# Allegro board S071AA-0413-20260427_Power.brd (continued)
## Routing (per net, layer and track width the routed paths; a pad name or vN(x,y) marks a point on that pad's centre or on a via; arc(x,y) is an arc through that point) (continued)
; D118.A7 30.75,72.85 ; D118.A7 29.94,73.66 ; D111.B7 261.89,371.65 ; D111.B7 261.89,370.03 ; D111.B7 262.7,370.84 ; D111.B7 261.08,370.84 ; 52.8,403.86 D432.A2 ; D432.A2 53.61,403.05 ; D432.A2 53.61,404.67 ; D432.A2 54.42,403.86 ; D108.B14 269.51,41.45 ; D108.B14 269.51,39.83 ; D108.B14 268.7,40.64 ; D108.B14 270.32,40.64 ; D115.A7 188.23,376.73 ; D115.A7 188.23,375.11 ; D115.A7 187.42,375.92 ; D115.A7 189.04,375.92 ; 114.57,375.11 D227.A7 ; D227.A7 114.57,376.73 ; D227.A7 113.76,375.92 ; D227.A7 115.38,375.92 ; 20.59,385.27 D431.A15 ; D431.A15 21.4,386.08 ; D431.A15 19.78,386.08 ; D431.A15 20.59,386.89 ; 98.52,406.4 D428.A13 ; D428.A13 100.14,406.4 ; D428.A13 99.33,407.21 ; D428.A13 99.33,405.59 ; 14.7,73.66 D118.A1 ; D118.A1 15.51,72.85 ; D118.A1 16.32,73.66 ; D118.A1 15.51,74.47 ; D124.A9 109.49,33.83 ; D124.A9 110.3,33.02 ; D124.A9 108.68,33.02 ; D124.A9 109.49,32.21 ; D108.B9 256.81,38.91 ; D108.B9 257.62,38.1 ; D108.B9 256,38.1 ; D108.B9 256.81,37.29 ; UHC230.G4_10 16.54,350.04 ; UHC230.G4_10 14.92,350.04 ; UHC230.G4_10 15.73,349.23 ; UHC230.G4_10 15.73,350.85 ; D114.B6 191.58,347.98 ; D114.B6 190.77,347.17 ; D114.B6 189.96,347.98 ; D114.B6 190.77,348.79 ; D104.A2 166.18,35.56 ; D104.A2 165.37,36.37 ; D104.A2 165.37,34.75 ; D104.A2 164.56,35.56 ; 200.12,35.56 D104.A16 ; D104.A16 200.93,36.37 ; D104.A16 200.93,34.75 ; D104.A16 201.74,35.56 ; DPS8.B01 56.15,413.56 ; DPS8.B01 56.15,411.94 ; DPS8.B01 56.96,412.75 ; DPS8.B01 55.34,412.75 ; 45.99,390.35 D232.B5 ; D232.B5 45.99,391.97 ; D232.B5 45.18,391.16 ; D232.B5 46.8,391.16 ; 104.41,400.51 D428.B11 ; D428.B11 105.22,401.32 ; D428.B11 104.41,402.13 ; D428.B11 103.6,401.32 ; D113.A15 167.91,336.09 ; D113.A15 167.1,335.28 ; D113.A15 167.91,334.47 ; D113.A15 168.72,335.28 ; D105.B6 249.19,102.41 ; D105.B6 250,101.6 ; D105.B6 249.19,100.79 ; D105.B6 248.38,101.6 ; D108.A11 262.7,33.02 ; D108.A11 261.89,32.21 ; D108.A11 261.89,33.83 ; D108.A11 261.08,33.02 ; 50.26,38.1 D120.B15 ; D120.B15 51.07,37.29 ; D120.B15 51.07,38.91 ; D120.B15 51.88,38.1 ; D109.A13 246.65,336.09 ; D109.A13 246.65,334.47 ; D109.A13 245.84,335.28 ; D109.A13 247.46,335.28 ; 22.32,403.86 D432.A14 ; D432.A14 23.13,403.05 ; D432.A14 23.94,403.86 ; D432.A14 23.13,404.67 ; D104.A1 162.83,33.83 ; D104.A1 163.64,33.02 ; D104.A1 162.02,33.02 ; D104.A1 162.83,32.21 ; CSDPS425.B2 127.27,343.71 ; CSDPS425.B2 128.08,342.9 ; CSDPS425.B2 126.46,342.9 ; CSDPS425.B2 127.27,342.09 ; 44.72,360.2 UHC430.G2_10 ; UHC430.G2_10 45.53,359.39 ; UHC430.G2_10 46.34,360.2 ; UHC430.G2_10 45.53,361.01 ; 32.48,40.64 D120.B8 ; D120.B8 33.29,41.45 ; D120.B8 33.29,39.83 ; D120.B8 34.1,40.64 ; D427.A17 89.98,386.08 ; D427.A17 88.36,386.08 ; D427.A17 89.17,385.27 ; D427.A17 89.17,386.89 ; D109.A12 249.19,333.55 ; D109.A12 248.38,332.74 ; D109.A12 250,332.74 ; D109.A12 249.19,331.93 ; 101.06,363.22 CSDPS426.B12 ; CSDPS426.B12 102.68,363.22 ; CSDPS426.B12 101.87,364.03 ; CSDPS426.B12 101.87,362.41 ; D228.A17 89.17,397.05 ; D228.A17 89.98,396.24 ; D228.A17 88.36,396.24 ; D228.A17 89.17,395.43 ; D122.A9 109.49,74.47 ; D122.A9 109.49,72.85 ; D122.A9 110.3,73.66 ; D122.A9 108.68,73.66 ; D110.A16 239.84,353.06 ; D110.A16 238.22,353.06 ; D110.A16 239.03,353.87 ; D110.A16 239.03,352.25 ; 111.22,96.52 D121.A10 ; D121.A10 112.03,95.71 ; D121.A10 112.84,96.52 ; D121.A10 112.03,97.33 ; 114.57,400.51 D428.B7 ; D428.B7 113.76,401.32 ; D428.B7 115.38,401.32 ; D428.B7 114.57,402.13 ; 98.52,13.97 DPS3.A05 ; DPS3.A05 100.14,13.97 ; DPS3.A05 99.33,14.78 ; DPS3.A05 99.33,13.16 ; 174.72,76.2 D102.A6 ; D102.A6 175.53,77.01 ; D102.A6 175.53,75.39 ; D102.A6 176.34,76.2 ; D431.A17 15.51,386.89 ; D431.A17 16.32,386.08 ; D431.A17 14.7,386.08 ; D431.A17 15.51,385.27 ; 89.17,400.51 D428.B17 ; D428.B17 89.17,402.13 ; D428.B17 88.36,401.32 ; D428.B17 89.98,401.32 ; 27.4,378.46 D431.B12 ; D431.B12 28.21,379.27 ; D431.B12 28.21,377.65 ; D431.B12 29.02,378.46 ; D122.A8 106.95,77.01 ; D122.A8 106.95,75.39 ; D122.A8 106.14,76.2 ; D122.A8 107.76,76.2 ; D124.B9 109.49,38.91 ; D124.B9 110.3,38.1 ; D124.B9 108.68,38.1 ; D124.B9 109.49,37.29 ; 188.23,77.93 D102.B11 ; D102.B11 187.42,78.74 ; D102.B11 189.04,78.74 ; D102.B11 188.23,79.55 ; D113.A7 189.04,335.28 ; D113.A7 188.23,336.09 ; D113.A7 188.23,334.47 ; D113.A7 187.42,335.28 ; D231.A5 45.99,376.73 ; D231.A5 45.18,375.92 ; D231.A5 46.8,375.92 ; D231.A5 45.99,375.11 ; D232.B16 18.05,389.43 ; D232.B16 18.86,388.62 ; D232.B16 17.24,388.62 ; D232.B16 18.05,387.81 ; 167.1,370.84 D115.B15 ; D115.B15 168.72,370.84 ; D115.B15 167.91,370.03 ; D115.B15 167.91,371.65 ; CSDPS226.C15 94.25,351.33 ; CSDPS226.C15 93.44,350.52 ; CSDPS226.C15 94.25,349.71 ; CSDPS226.C15 95.06,350.52 ; 89.17,72.85 D122.A1 ; D122.A1 88.36,73.66 ; D122.A1 89.17,74.47 ; D122.A1 89.98,73.66 ; 118.84,406.4 D428.A5 ; D428.A5 119.65,405.59 ; D428.A5 119.65,407.21 ; D428.A5 120.46,406.4 ; D122.B5 100.14,78.74 ; D122.B5 99.33,77.93 ; D122.B5 98.52,78.74 ; D122.B5 99.33,79.55 ; D427.A7 114.57,386.89 ; D427.A7 113.76,386.08 ; D427.A7 115.38,386.08 ; D427.A7 114.57,385.27 ; D119.B3 20.59,59.23 ; D119.B3 19.78,58.42 ; D119.B3 21.4,58.42 ; D119.B3 20.59,57.61 ; 268.7,60.96 D107.B14 ; D107.B14 269.51,60.15 ; D107.B14 270.32,60.96 ; D107.B14 269.51,61.77 ; 50.26,58.42 D119.B15 ; D119.B15 51.88,58.42 ; D119.B15 51.07,57.61 ; D119.B15 51.07,59.23 ; D431.B3 51.07,381.81 ; D431.B3 50.26,381 ; D431.B3 51.07,380.19 ; D431.B3 51.88,381 ; D431.A3 51.07,386.89 ; D431.A3 50.26,386.08 ; D431.A3 51.88,386.08 ; D431.A3 51.07,385.27 ; 198.39,72.85 D102.A15 ; D102.A15 197.58,73.66 ; D102.A15 198.39,74.47 ; D102.A15 199.2,73.66 ; 266.97,375.11 D111.A5 ; D111.A5 266.97,376.73 ; D111.A5 267.78,375.92 ; D111.A5 266.16,375.92 ; D124.B15 124.73,38.91 ; D124.B15 123.92,38.1 ; D124.B15 124.73,37.29 ; D124.B15 125.54,38.1 ; 117.11,382.73 D427.A6 ; D427.A6 116.3,383.54 ; D427.A6 117.11,384.35 ; D427.A6 117.92,383.54 ; D107.A14 269.51,56.69 ; D107.A14 270.32,55.88 ; D107.A14 268.7,55.88 ; D107.A14 269.51,55.07 ; 238.22,96.52 D105.A2 ; D105.A2 239.03,95.71 ; D105.A2 239.03,97.33 ; D105.A2 239.84,96.52 ; 47.83,359.39 UHC430.G2_9 ; UHC430.G2_9 47.02,360.2 ; UHC430.G2_9 48.64,360.2 ; UHC430.G2_9 47.83,361.01 ; 88.36,58.42 D123.B1 ; D123.B1 89.98,58.42 ; D123.B1 89.17,57.61 ; D123.B1 89.17,59.23 ; 179.8,327.66 D113.B10 ; D113.B10 180.61,328.47 ; D113.B10 181.42,327.66 ; D113.B10 180.61,326.85 ; D102.A3 168.72,73.66 ; D102.A3 167.91,74.47 ; D102.A3 167.91,72.85 ; D102.A3 167.1,73.66 ; D432.B3 51.07,402.13 ; D432.B3 51.07,400.51 ; D432.B3 51.88,401.32 ; D432.B3 50.26,401.32 ; 29.94,412.75 DPS8.B11 ; DPS8.B11 30.75,413.56 ; DPS8.B11 30.75,411.94 ; DPS8.B11 31.56,412.75 ; D106.A15 272.05,74.47 ; D106.A15 272.05,72.85 ; D106.A15 271.24,73.66 ; D106.A15 272.86,73.66 ; 23.13,392.89 D232.A14 ; D232.A14 23.13,394.51 ; D232.A14 23.94,393.7 ; D232.A14 22.32,393.7 ; D112.B2 275.4,388.62 ; D112.B2 274.59,389.43 ; D112.B2 273.78,388.62 ; D112.B2 274.59,387.81 ; D428.B12 101.87,399.59 ; D428.B12 101.87,397.97 ; D428.B12 102.68,398.78 ; D428.B12 101.06,398.78 ; D432.B7 40.91,402.13 ; D432.B7 40.91,400.51 ; D432.B7 41.72,401.32 ; D432.B7 40.1,401.32 ; UHC430.G2_12 46.68,359.26 ; UHC430.G2_12 47.49,358.45 ; UHC430.G2_12 45.87,358.45 ; UHC430.G2_12 46.68,357.64 ; UHC230.G3_6 49.79,351.79 ; UHC230.G3_6 48.98,352.6 ; UHC230.G3_6 48.98,350.98 ; UHC230.G3_6 48.17,351.79 ; D122.A3 95.06,73.66 ; D122.A3 94.25,74.47 ; D122.A3 93.44,73.66 ; D122.A3 94.25,72.85 ; 250.92,38.1 D108.B7 ; D108.B7 252.54,38.1 ; D108.B7 251.73,37.29 ; D108.B7 251.73,38.91 ; CSDPS229.C1 56.96,330.2 ; CSDPS229.C1 55.34,330.2 ; CSDPS229.C1 56.15,329.39 ; CSDPS229.C1 56.15,331.01 ; D115.B11 178.88,370.84 ; D115.B11 178.07,371.65 ; D115.B11 177.26,370.84 ; D115.B11 178.07,370.03 ; D228.A2 127.27,394.51 ; D228.A2 128.08,393.7 ; D228.A2 126.46,393.7 ; D228.A2 127.27,392.89 ; D232.A12 29.02,393.7 ; D232.A12 28.21,392.89 ; D232.A12 27.4,393.7 ; D232.A12 28.21,394.51 ; 162.83,77.93 D102.B1 ; D102.B1 162.83,79.55 ; D102.B1 162.02,78.74 ; D102.B1 163.64,78.74 ; 32.48,55.88 D119.A8 ; D119.A8 33.29,55.07 ; D119.A8 33.29,56.69 ; D119.A8 34.1,55.88 ; DPS8.C01 56.96,410.21 ; DPS8.C01 55.34,410.21 ; DPS8.C01 56.15,409.4 ; DPS8.C01 56.15,411.02 ; D232.A2 54.42,393.7 ; D232.A2 53.61,394.51 ; D232.A2 53.61,392.89 ; D232.A2 52.8,393.7 ; D119.B13 46.8,58.42 ; D119.B13 45.18,58.42 ; D119.B13 45.99,59.23 ; D119.B13 45.99,57.61 ; D116.B14 170.45,389.43 ; D116.B14 171.26,388.62 ; D116.B14 169.64,388.62 ; D116.B14 170.45,387.81 ; D110.A4 270.32,353.06 ; D110.A4 268.7,353.06 ; D110.A4 269.51,352.25 ; D110.A4 269.51,353.87 ; 119.65,57.61 D123.B13 ; D123.B13 118.84,58.42 ; D123.B13 119.65,59.23 ; D123.B13 120.46,58.42 ; D123.B6 102.68,60.96 ; D123.B6 101.87,60.15 ; D123.B6 101.87,61.77 ; D123.B6 101.06,60.96 ; D105.B14 270.32,101.6 ; D105.B14 269.51,102.41 ; D105.B14 268.7,101.6 ; D105.B14 269.51,100.79 ; D428.A8 112.84,403.86 ; D428.A8 112.03,404.67 ; D428.A8 112.03,403.05 ; D428.A8 111.22,403.86 ; D116.A4 196.66,393.7 ; D116.A4 195.85,394.51 ; D116.A4 195.85,392.89 ; D116.A4 195.04,393.7 ; 251.73,77.93 D106.B7 ; D106.B7 250.92,78.74 ; D106.B7 252.54,78.74 ; D106.B7 251.73,79.55 ; D227.A8 112.03,374.19 ; D227.A8 112.03,372.57 ; D227.A8 112.84,373.38 ; D227.A8 111.22,373.38 ; D109.B1 277.94,330.2 ; D109.B1 277.13,331.01 ; D109.B1 277.13,329.39 ; D109.B1 276.32,330.2 ; 240.76,33.02 D108.A3 ; D108.A3 241.57,32.21 ; D108.A3 242.38,33.02 ; D108.A3 241.57,33.83 ; 101.06,378.46 D427.B12 ; D427.B12 101.87,377.65 ; D427.B12 102.68,378.46 ; D427.B12 101.87,379.27 ; 19.18,354.48 UHC230.G4_1 ; UHC230.G4_1 19.18,356.1 ; UHC230.G4_1 18.37,355.29 ; UHC230.G4_1 19.99,355.29 ; 93.44,99.06 D121.B3 ; D121.B3 95.06,99.06 ; D121.B3 94.25,98.25 ; D121.B3 94.25,99.87 ; CSDPS229.B6 44.26,332.74 ; CSDPS229.B6 43.45,333.55 ; CSDPS229.B6 42.64,332.74 ; CSDPS229.B6 43.45,331.93 ; D427.A12 102.68,383.54 ; D427.A12 101.06,383.54 ; D427.A12 101.87,382.73 ; D427.A12 101.87,384.35 ; 17.24,60.96 D119.B2 ; D119.B2 18.86,60.96 ; D119.B2 18.05,61.77 ; D119.B2 18.05,60.15 ; D115.A13 172.99,376.73 ; D115.A13 172.99,375.11 ; D115.A13 173.8,375.92 ; D115.A13 172.18,375.92 ; 18.37,365.45 UHC430.G1_1 ; UHC430.G1_1 19.99,365.45 ; UHC430.G1_1 19.18,366.26 ; UHC430.G1_1 19.18,364.64 ; D227.B9 110.3,370.84 ; D227.B9 109.49,371.65 ; D227.B9 108.68,370.84 ; D227.B9 109.49,370.03 ; 183.15,329.39 D113.B9 ; D113.B9 182.34,330.2 ; D113.B9 183.96,330.2 ; D113.B9 183.15,331.01 ; D427.B3 125.54,381 ; D427.B3 124.73,381.81 ; D427.B3 124.73,380.19 ; D427.B3 123.92,381 ; D111.A2 275.4,373.38 ; D111.A2 273.78,373.38 ; D111.A2 274.59,374.19 ; D111.A2 274.59,372.57 ; D120.B13 46.8,38.1 ; D120.B13 45.18,38.1 ; D120.B13 45.99,37.29 ; D120.B13 45.99,38.91 ; D111.A1 277.94,375.92 ; D111.A1 276.32,375.92 ; D111.A1 277.13,376.73 ; D111.A1 277.13,375.11 ; 167.91,414.48 DPS2.A15 ; DPS2.A15 168.72,415.29 ; DPS2.A15 167.91,416.1 ; DPS2.A15 167.1,415.29 ; DPS2.B11 178.88,412.75 ; DPS2.B11 178.07,411.94 ; DPS2.B11 178.07,413.56 ; DPS2.B11 177.26,412.75 ; 271.24,335.28 D109.A3 ; D109.A3 272.05,336.09 ; D109.A3 272.05,334.47 ; D109.A3 272.86,335.28 ; D432.B8 39.18,398.78 ; D432.B8 37.56,398.78 ; D432.B8 38.37,397.97 ; D432.B8 38.37,399.59 ; D228.B14 97.6,388.62 ; D228.B14 96.79,389.43 ; D228.B14 96.79,387.81 ; D228.B14 95.98,388.62 ; D227.A5 120.46,375.92 ; D227.A5 118.84,375.92 ; D227.A5 119.65,376.73 ; D227.A5 119.65,375.11 ; D110.A9 257.62,355.6 ; D110.A9 256.81,356.41 ; D110.A9 256.81,354.79 ; D110.A9 256,355.6 ; D121.B5 100.14,99.06 ; D121.B5 99.33,98.25 ; D121.B5 98.52,99.06 ; D121.B5 99.33,99.87 ; DPS8.C15 21.4,410.21 ; DPS8.C15 20.59,411.02 ; DPS8.C15 19.78,410.21 ; DPS8.C15 20.59,409.4 ; D114.B15 167.91,351.33 ; D114.B15 168.72,350.52 ; D114.B15 167.91,349.71 ; D114.B15 167.1,350.52 ; 16.88,361.14 UHC430.G1 ; UHC430.G1 16.07,361.95 ; UHC430.G1 16.88,362.76 ; UHC430.G1 17.69,361.95 ; D427.B4 123,378.46 ; D427.B4 121.38,378.46 ; D427.B4 122.19,377.65 ; D427.B4 122.19,379.27 ; 249.19,392.89 D112.A12 ; D112.A12 248.38,393.7 ; D112.A12 249.19,394.51 ; D112.A12 250,393.7 ; D105.A4 244.92,96.52 ; D105.A4 243.3,96.52 ; D105.A4 244.11,95.71 ; D105.A4 244.11,97.33 ; 175.53,347.17 D114.B12 ; D114.B12 175.53,348.79 ; D114.B12 174.72,347.98 ; D114.B12 176.34,347.98 ; D104.B13 193.31,38.91 ; D104.B13 194.12,38.1 ; D104.B13 192.5,38.1 ; D104.B13 193.31,37.29 ; D108.A5 247.46,33.02 ; D108.A5 245.84,33.02 ; D108.A5 246.65,33.83 ; D108.A5 246.65,32.21 ; D123.A12 117.11,56.69 ; D123.A12 117.92,55.88 ; D123.A12 116.3,55.88 ; D123.A12 117.11,55.07 ; D108.B4 244.11,41.45 ; D108.B4 244.11,39.83 ; D108.B4 243.3,40.64 ; D108.B4 244.92,40.64 ; D232.B6 43.45,389.43 ; D232.B6 42.64,388.62 ; D232.B6 43.45,387.81 ; D232.B6 44.26,388.62 ; 118.84,33.02 D124.A13 ; D124.A13 120.46,33.02 ; D124.A13 119.65,32.21 ; D124.A13 119.65,33.83 ; 261.89,13.16 DPS1.A11 ; DPS1.A11 261.08,13.97 ; DPS1.A11 261.89,14.78 ; DPS1.A11 262.7,13.97 ; 170.45,60.15 D103.B4 ; D103.B4 170.45,61.77 ; D103.B4 171.26,60.96 ; D103.B4 169.64,60.96 ; D228.A6 117.11,394.51 ; D228.A6 117.92,393.7 ; D228.A6 116.3,393.7 ; D228.A6 117.11,392.89 ; D112.A13 246.65,397.05 ; D112.A13 247.46,396.24 ; D112.A13 246.65,395.43 ; D112.A13 245.84,396.24 ; D115.B7 189.04,370.84 ; D115.B7 187.42,370.84 ; D115.B7 188.23,371.65 ; D115.B7 188.23,370.03 ; D232.B8 38.37,389.43 ; D232.B8 39.18,388.62 ; D232.B8 38.37,387.81 ; D232.B8 37.56,388.62 ; 268.7,368.3 D111.B4 ; D111.B4 269.51,367.49 ; D111.B4 269.51,369.11 ; D111.B4 270.32,368.3 ; 15.51,395.43 D232.A17 ; D232.A17 14.7,396.24 ; D232.A17 16.32,396.24 ; D232.A17 15.51,397.05 ; D112.B12 249.19,389.43 ; D112.B12 249.19,387.81 ; D112.B12 250,388.62 ; D112.B12 248.38,388.62 ; 43.45,34.75 D120.A12 ; D120.A12 44.26,35.56 ; D120.A12 42.64,35.56 ; D120.A12 43.45,36.37 ; 263.62,40.64 D108.B12 ; D108.B12 265.24,40.64 ; D108.B12 264.43,41.45 ; D108.B12 264.43,39.83 ; 56.15,339.55 CSDPS429.C1 ; CSDPS429.C1 55.34,340.36 ; CSDPS429.C1 56.96,340.36 ; CSDPS429.C1 56.15,341.17 ; CSDPS225.C15 95.06,330.2 ; CSDPS225.C15 94.25,329.39 ; CSDPS225.C15 94.25,331.01 ; CSDPS225.C15 93.44,330.2 ; 98.52,391.16 D228.B13 ; D228.B13 99.33,390.35 ; D228.B13 99.33,391.97 ; D228.B13 100.14,391.16 ; 182.34,93.98 D101.A9 ; D101.A9 183.96,93.98 ; D101.A9 183.15,94.79 ; D101.A9 183.15,93.17 ; D112.A14 244.92,393.7 ; D112.A14 244.11,394.51 ; D112.A14 243.3,393.7 ; D112.A14 244.11,392.89 ; 271.24,13.97 DPS1.A15 ; DPS1.A15 272.86,13.97 ; DPS1.A15 272.05,14.78 ; DPS1.A15 272.05,13.16 ; 165.37,387.81 D116.B16 ; D116.B16 164.56,388.62 ; D116.B16 165.37,389.43 ; D116.B16 166.18,388.62 ; D104.B15 199.2,38.1 ; D104.B15 198.39,37.29 ; D104.B15 198.39,38.91 ; D104.B15 197.58,38.1 ; 103.6,391.16 D228.B11 ; D228.B11 104.41,391.97 ; D228.B11 105.22,391.16 ; D228.B11 104.41,390.35 ; D121.A2 92.52,96.52 ; D121.A2 90.9,96.52 ; D121.A2 91.71,97.33 ; D121.A2 91.71,95.71 ; D112.A2 274.59,394.51 ; D112.A2 274.59,392.89 ; D112.A2 273.78,393.7 ; D112.A2 275.4,393.7 ; 188.23,32.21 D104.A11 ; D104.A11 188.23,33.83 ; D104.A11 189.04,33.02 ; D104.A11 187.42,33.02 ; 25.67,375.11 D231.A13 ; D231.A13 25.67,376.73 ; D231.A13 24.86,375.92 ; D231.A13 26.48,375.92 ; D110.A3 272.05,356.41 ; D110.A3 272.05,354.79 ; D110.A3 272.86,355.6 ; D110.A3 271.24,355.6 ; 178.07,375.11 D115.A11 ; D115.A11 177.26,375.92 ; D115.A11 178.07,376.73 ; D115.A11 178.88,375.92 ; 35.83,57.61 D119.B9 ; D119.B9 35.83,59.23 ; D119.B9 36.64,58.42 ; D119.B9 35.02,58.42 ; D431.A14 23.94,383.54 ; D431.A14 22.32,383.54 ; D431.A14 23.13,384.35 ; D431.A14 23.13,382.73 ; 123.92,73.66 D122.A15 ; D122.A15 125.54,73.66 ; D122.A15 124.73,74.47 ; D122.A15 124.73,72.85 ; 22.32,332.74 CSDPS229.B14 ; CSDPS229.B14 23.13,331.93 ; CSDPS229.B14 23.94,332.74 ; CSDPS229.B14 23.13,333.55 ; 127.27,362.41 CSDPS426.B2 ; CSDPS426.B2 128.08,363.22 ; CSDPS426.B2 127.27,364.03 ; CSDPS426.B2 126.46,363.22 ; DPS1.C11 262.7,19.05 ; DPS1.C11 261.89,18.24 ; DPS1.C11 261.89,19.86 ; DPS1.C11 261.08,19.05 ; D112.B1 277.13,391.97 ; D112.B1 277.94,391.16 ; D112.B1 276.32,391.16 ; D112.B1 277.13,390.35 ; 98.52,16.51 DPS3.B05 ; DPS3.B05 99.33,17.32 ; DPS3.B05 100.14,16.51 ; DPS3.B05 99.33,15.7 ; 111.22,332.74 CSDPS225.B8 ; CSDPS225.B8 112.03,331.93 ; CSDPS225.B8 112.03,333.55 ; CSDPS225.B8 112.84,332.74 ; 112.03,55.07 D123.A10 ; D123.A10 111.22,55.88 ; D123.A10 112.84,55.88 ; D123.A10 112.03,56.69 ; D119.B5 26.48,58.42 ; D119.B5 24.86,58.42 ; D119.B5 25.67,59.23 ; D119.B5 25.67,57.61 ; D123.A15 125.54,53.34 ; D123.A15 123.92,53.34 ; D123.A15 124.73,54.15 ; D123.A15 124.73,52.53 ; 40.1,375.92 D231.A7 ; D231.A7 41.72,375.92 ; D231.A7 40.91,375.11 ; D231.A7 40.91,376.73 ; D427.A10 106.95,384.35 ; D427.A10 106.14,383.54 ; D427.A10 106.95,382.73 ; D427.A10 107.76,383.54 ; 116.3,378.46 D427.B6 ; D427.B6 117.11,377.65 ; D427.B6 117.92,378.46 ; D427.B6 117.11,379.27 ; D121.A5 100.14,93.98 ; D121.A5 99.33,94.79 ; D121.A5 99.33,93.17 ; D121.A5 98.52,93.98 ; D228.A1 129.81,397.05 ; D228.A1 129.81,395.43 ; D228.A1 130.62,396.24 ; D228.A1 129,396.24 ; 190.77,367.49 D115.B6 ; D115.B6 190.77,369.11 ; D115.B6 189.96,368.3 ; D115.B6 191.58,368.3 ; 238.22,388.62 D112.B16 ; D112.B16 239.84,388.62 ; D112.B16 239.03,387.81 ; D112.B16 239.03,389.43 ; 170.45,347.17 D114.B14 ; D114.B14 171.26,347.98 ; D114.B14 169.64,347.98 ; D114.B14 170.45,348.79 ; D107.B6 249.19,61.77 ; D107.B6 250,60.96 ; D107.B6 248.38,60.96 ; D107.B6 249.19,60.15 ; 126.46,60.96 D123.B16 ; D123.B16 127.27,61.77 ; D123.B16 128.08,60.96 ; D123.B16 127.27,60.15 ; D120.A11 41.72,33.02 ; D120.A11 40.91,33.83 ; D120.A11 40.91,32.21 ; D120.A11 40.1,33.02 ; 200.93,100.79 D101.B16 ; D101.B16 201.74,101.6 ; D101.B16 200.12,101.6 ; D101.B16 200.93,102.41 ; 111.22,378.46 D427.B8 ; D427.B8 112.84,378.46 ; D427.B8 112.03,377.65 ; D427.B8 112.03,379.27 ; 33.29,342.09 CSDPS429.B10 ; CSDPS429.B10 33.29,343.71 ; CSDPS429.B10 34.1,342.9 ; CSDPS429.B10 32.48,342.9 ; D110.A8 260.16,353.06 ; D110.A8 259.35,353.87 ; D110.A8 258.54,353.06 ; D110.A8 259.35,352.25 ; CSDPS226.B14 96.79,353.87 ; CSDPS226.B14 95.98,353.06 ; CSDPS226.B14 96.79,352.25 ; CSDPS226.B14 97.6,353.06 ; D119.A13 46.8,53.34 ; D119.A13 45.99,52.53 ; D119.A13 45.99,54.15 ; D119.A13 45.18,53.34 ; D431.A6 44.26,383.54 ; D431.A6 43.45,382.73 ; D431.A6 42.64,383.54 ; D431.A6 43.45,384.35 ; 250.92,73.66 D106.A7 ; D106.A7 252.54,73.66 ; D106.A7 251.73,72.85 ; D106.A7 251.73,74.47 ; D102.B14 196.66,81.28 ; D102.B14 195.04,81.28 ; D102.B14 195.85,80.47 ; D102.B14 195.85,82.09 ; 106.95,403.05 D428.A10 ; D428.A10 107.76,403.86 ; D428.A10 106.95,404.67 ; D428.A10 106.14,403.86 ; UHC430.G1_6 19.18,362.76 ; UHC430.G1_6 19.99,361.95 ; UHC430.G1_6 18.37,361.95 ; UHC430.G1_6 19.18,361.14 ; 48.53,392.89 D232.A4 ; D232.A4 48.53,394.51 ; D232.A4 49.34,393.7 ; D232.A4 47.72,393.7 ; 101.87,100.79 D121.B6 ; D121.B6 101.06,101.6 ; D121.B6 102.68,101.6 ; D121.B6 101.87,102.41 ; CSDPS225.C1 129.81,331.01 ; CSDPS225.C1 129,330.2 ; CSDPS225.C1 129.81,329.39 ; CSDPS225.C1 130.62,330.2 ; 263.62,353.06 D110.A6 ; D110.A6 264.43,353.87 ; D110.A6 265.24,353.06 ; D110.A6 264.43,352.25 ; 43.57,355.29 UHC230.G3_3 ; UHC230.G3_3 44.38,356.1 ; UHC230.G3_3 45.19,355.29 ; UHC230.G3_3 44.38,354.48 ; 44.72,353.54 UHC230.G3_5 ; UHC230.G3_5 46.34,353.54 ; UHC230.G3_5 45.53,352.73 ; UHC230.G3_5 45.53,354.35 ; 94.25,339.55 CSDPS425.C15 ; CSDPS425.C15 93.44,340.36 ; CSDPS425.C15 95.06,340.36 ; CSDPS425.C15 94.25,341.17 ; 109.49,339.55 CSDPS425.C9 ; CSDPS425.C9 110.3,340.36 ; CSDPS425.C9 109.49,341.17 ; CSDPS425.C9 108.68,340.36 ; 190.77,352.25 D114.A6 ; D114.A6 189.96,353.06 ; D114.A6 191.58,353.06 ; D114.A6 190.77,353.87 ; 248.38,96.52 D105.A6 ; D105.A6 249.19,95.71 ; D105.A6 250,96.52 ; D105.A6 249.19,97.33 ; 108.68,78.74 D122.B9 ; D122.B9 109.49,79.55 ; D122.B9 109.49,77.93 ; D122.B9 110.3,78.74 ; 254.27,387.81 D112.B10 ; D112.B10 255.08,388.62 ; D112.B10 254.27,389.43 ; D112.B10 253.46,388.62 ; 24.86,340.36 CSDPS429.C13 ; CSDPS429.C13 26.48,340.36 ; CSDPS429.C13 25.67,341.17 ; CSDPS429.C13 25.67,339.55 ; UHC430.G2_11 48.98,359.26 ; UHC430.G2_11 48.17,358.45 ; UHC430.G2_11 48.98,357.64 ; UHC430.G2_11 49.79,358.45 ; D115.B8 186.5,368.3 ; D115.B8 185.69,367.49 ; D115.B8 185.69,369.11 ; D115.B8 184.88,368.3 ; 258.54,96.52 D105.A10 ; D105.A10 260.16,96.52 ; D105.A10 259.35,95.71 ; D105.A10 259.35,97.33 ; CSDPS229.C13 26.48,330.2 ; CSDPS229.C13 25.67,329.39 ; CSDPS229.C13 25.67,331.01 ; CSDPS229.C13 24.86,330.2 ; D114.A14 171.26,353.06 ; D114.A14 170.45,353.87 ; D114.A14 169.64,353.06 ; D114.A14 170.45,352.25 ; CSDPS425.C3 124.73,341.17 ; CSDPS425.C3 123.92,340.36 ; CSDPS425.C3 124.73,339.55 ; CSDPS425.C3 125.54,340.36 ; D102.B8 181.42,81.28 ; D102.B8 180.61,80.47 ; D102.B8 180.61,82.09 ; D102.B8 179.8,81.28 ; D116.A3 199.2,396.24 ; D116.A3 198.39,397.05 ; D116.A3 197.58,396.24 ; D116.A3 198.39,395.43 ; 271.24,396.24 D112.A3 ; D112.A3 272.05,397.05 ; D112.A3 272.86,396.24 ; D112.A3 272.05,395.43 ; D122.B7 105.22,78.74 ; D122.B7 104.41,77.93 ; D122.B7 104.41,79.55 ; D122.B7 103.6,78.74 ; 185.69,352.25 D114.A8 ; D114.A8 186.5,353.06 ; D114.A8 184.88,353.06 ; D114.A8 185.69,353.87 ; CSDPS426.C7 114.57,361.49 ; CSDPS426.C7 115.38,360.68 ; CSDPS426.C7 114.57,359.87 ; CSDPS426.C7 113.76,360.68 ; D101.A15 199.2,93.98 ; D101.A15 197.58,93.98 ; D101.A15 198.39,93.17 ; D101.A15 198.39,94.79 ; 42.64,373.38 D231.A6 ; D231.A6 43.45,372.57 ; D231.A6 44.26,373.38 ; D231.A6 43.45,374.19 ; 122.19,397.97 D428.B4 ; D428.B4 122.19,399.59 ; D428.B4 121.38,398.78 ; D428.B4 123,398.78 ; D227.B15 95.06,370.84 ; D227.B15 93.44,370.84 ; D227.B15 94.25,370.03 ; D227.B15 94.25,371.65 ; 172.99,32.21 D104.A5 ; D104.A5 173.8,33.02 ; D104.A5 172.99,33.83 ; D104.A5 172.18,33.02 ; DPS1.B15 272.05,17.32 ; DPS1.B15 272.05,15.7 ; DPS1.B15 271.24,16.51 ; DPS1.B15 272.86,16.51 ; 256.81,375.11 D111.A9 ; D111.A9 256,375.92 ; D111.A9 257.62,375.92 ; D111.A9 256.81,376.73 ; D123.B4 96.79,61.77 ; D123.B4 95.98,60.96 ; D123.B4 96.79,60.15 ; D123.B4 97.6,60.96 ; D431.A9 36.64,386.08 ; D431.A9 35.83,385.27 ; D431.A9 35.83,386.89 ; D431.A9 35.02,386.08 ; UHC430.G2_3 45.19,365.45 ; UHC430.G2_3 44.38,366.26 ; UHC430.G2_3 43.57,365.45 ; UHC430.G2_3 44.38,364.64 ; D101.B14 195.85,102.41 ; D101.B14 195.85,100.79 ; D101.B14 196.66,101.6 ; D101.B14 195.04,101.6 ; 203.47,349.71 D114.B1 ; D114.B1 204.28,350.52 ; D114.B1 202.66,350.52 ; D114.B1 203.47,351.33 ; 272.05,37.29 D108.B15 ; D108.B15 272.86,38.1 ; D108.B15 272.05,38.91 ; D108.B15 271.24,38.1 ; 188.23,329.39 D113.B7 ; D113.B7 187.42,330.2 ; D113.B7 189.04,330.2 ; D113.B7 188.23,331.01 ; 190.77,60.15 D103.B12 ; D103.B12 191.58,60.96 ; D103.B12 189.96,60.96 ; D103.B12 190.77,61.77 ; D115.A6 190.77,374.19 ; D115.A6 190.77,372.57 ; D115.A6 189.96,373.38 ; D115.A6 191.58,373.38 ; CSDPS225.C9 110.3,330.2 ; CSDPS225.C9 109.49,329.39 ; CSDPS225.C9 108.68,330.2 ; CSDPS225.C9 109.49,331.01 ; 195.04,96.52 D101.A14 ; D101.A14 196.66,96.52 ; D101.A14 195.85,95.71 ; D101.A14 195.85,97.33 ; D108.A13 267.78,33.02 ; D108.A13 266.97,32.21 ; D108.A13 266.16,33.02 ; D108.A13 266.97,33.83 ; D102.A9 183.15,74.47 ; D102.A9 182.34,73.66 ; D102.A9 183.96,73.66 ; D102.A9 183.15,72.85 ; D121.A14 122.19,97.33 ; D121.A14 123,96.52 ; D121.A14 121.38,96.52 ; D121.A14 122.19,95.71 ; 190.77,392.89 D116.A6 ; D116.A6 189.96,393.7 ; D116.A6 191.58,393.7 ; D116.A6 190.77,394.51 ; 98.52,381 D427.B13 ; D427.B13 99.33,380.19 ; D427.B13 99.33,381.81 ; D427.B13 100.14,381 ; D120.B1 16.32,38.1 ; D120.B1 14.7,38.1 ; D120.B1 15.51,38.91 ; D120.B1 15.51,37.29 ; D124.B13 119.65,38.91 ; D124.B13 118.84,38.1 ; D124.B13 120.46,38.1 ; D124.B13 119.65,37.29 ; 121.38,368.3 D227.B4 ; D227.B4 122.19,367.49 ; D227.B4 123,368.3 ; D227.B4 122.19,369.11 ; 195.85,34.75 D104.A14 ; D104.A14 195.85,36.37 ; D104.A14 195.04,35.56 ; D104.A14 196.66,35.56 ; D113.A2 201.74,332.74 ; D113.A2 200.12,332.74 ; D113.A2 200.93,331.93 ; D113.A2 200.93,333.55 ; 167.1,410.21 DPS2.C15 ; DPS2.C15 167.91,409.4 ; DPS2.C15 167.91,411.02 ; DPS2.C15 168.72,410.21 ; D112.B5 267.78,391.16 ; D112.B5 266.97,391.97 ; D112.B5 266.97,390.35 ; D112.B5 266.16,391.16 ; UHC430.G2 46.68,362.76 ; UHC430.G2 45.87,361.95 ; UHC430.G2 47.49,361.95 ; UHC430.G2 46.68,361.14 ; D107.A3 242.38,53.34 ; D107.A3 241.57,52.53 ; D107.A3 240.76,53.34 ; D107.A3 241.57,54.15 ; 256.81,52.53 D107.A9 ; D107.A9 256.81,54.15 ; D107.A9 257.62,53.34 ; D107.A9 256,53.34 ; 118.84,78.74 D122.B13 ; D122.B13 119.65,79.55 ; D122.B13 120.46,78.74 ; D122.B13 119.65,77.93 ; 122.19,60.15 D123.B14 ; D123.B14 121.38,60.96 ; D123.B14 122.19,61.77 ; D123.B14 123,60.96 ; 169.64,393.7 D116.A14 ; D116.A14 170.45,392.89 ; D116.A14 171.26,393.7 ; D116.A14 170.45,394.51 ; 246.65,98.25 D105.B5 ; D105.B5 245.84,99.06 ; D105.B5 246.65,99.87 ; D105.B5 247.46,99.06 ; DPS2.C01 204.28,410.21 ; DPS2.C01 203.47,409.4 ; DPS2.C01 202.66,410.21 ; DPS2.C01 203.47,411.02 ; 276.32,396.24 D112.A1 ; D112.A1 277.13,397.05 ; D112.A1 277.94,396.24 ; D112.A1 277.13,395.43 ; CSDPS225.C11 105.22,330.2 ; CSDPS225.C11 103.6,330.2 ; CSDPS225.C11 104.41,329.39 ; CSDPS225.C11 104.41,331.01 ; 89.17,15.7 DPS3.B01 ; DPS3.B01 89.17,17.32 ; DPS3.B01 89.98,16.51 ; DPS3.B01 88.36,16.51 ; 203.47,354.79 D114.A1 ; D114.A1 202.66,355.6 ; D114.A1 203.47,356.41 ; D114.A1 204.28,355.6 ; 266.16,93.98 D105.A13 ; D105.A13 266.97,94.79 ; D105.A13 267.78,93.98 ; D105.A13 266.97,93.17 ; D111.A8 259.35,374.19 ; D111.A8 259.35,372.57 ; D111.A8 260.16,373.38 ; D111.A8 258.54,373.38 ; D227.A2 127.27,374.19 ; D227.A2 126.46,373.38 ; D227.A2 128.08,373.38 ; D227.A2 127.27,372.57 ; 180.61,352.25 D114.A10 ; D114.A10 181.42,353.06 ; D114.A10 179.8,353.06 ; D114.A10 180.61,353.87 ; D122.B14 122.19,82.09 ; D122.B14 123,81.28 ; D122.B14 122.19,80.47 ; D122.B14 121.38,81.28 ; 256.81,93.17 D105.A9 ; D105.A9 256.81,94.79 ; D105.A9 256,93.98 ; D105.A9 257.62,93.98 ; D231.B12 28.21,369.11 ; D231.B12 29.02,368.3 ; D231.B12 27.4,368.3 ; D231.B12 28.21,367.49 ; D110.B2 274.59,348.79 ; D110.B2 274.59,347.17 ; D110.B2 273.78,347.98 ; D110.B2 275.4,347.98 ; 185.69,60.15 D103.B10 ; D103.B10 184.88,60.96 ; D103.B10 185.69,61.77 ; D103.B10 186.5,60.96 ; 187.42,355.6 D114.A7 ; D114.A7 188.23,356.41 ; D114.A7 189.04,355.6 ; D114.A7 188.23,354.79 ; D124.A14 122.19,36.37 ; D124.A14 121.38,35.56 ; D124.A14 123,35.56 ; D124.A14 122.19,34.75 ; 241.57,395.43 D112.A15 ; D112.A15 242.38,396.24 ; D112.A15 240.76,396.24 ; D112.A15 241.57,397.05 ; 119.65,52.53 D123.A13 ; D123.A13 119.65,54.15 ; D123.A13 118.84,53.34 ; D123.A13 120.46,53.34 ; D118.A5 26.48,73.66 ; D118.A5 24.86,73.66 ; D118.A5 25.67,74.47 ; D118.A5 25.67,72.85 ; 16.07,351.79 UHC230.G4 ; UHC230.G4 16.88,350.98 ; UHC230.G4 16.88,352.6 ; UHC230.G4 17.69,351.79 ; 17.24,383.54 D431.A16 ; D431.A16 18.86,383.54 ; D431.A16 18.05,382.73 ; D431.A16 18.05,384.35 ; D123.A8 106.95,56.69 ; D123.A8 107.76,55.88 ; D123.A8 106.14,55.88 ; D123.A8 106.95,55.07 ; 118.84,386.08 D427.A5 ; D427.A5 120.46,386.08 ; D427.A5 119.65,386.89 ; D427.A5 119.65,385.27 ; 244.11,34.75 D108.A4 ; D108.A4 244.92,35.56 ; D108.A4 243.3,35.56 ; D108.A4 244.11,36.37 ; 266.16,78.74 D106.B13 ; D106.B13 267.78,78.74 ; D106.B13 266.97,77.93 ; D106.B13 266.97,79.55 ; 200.12,76.2 D102.A16 ; D102.A16 200.93,77.01 ; D102.A16 201.74,76.2 ; D102.A16 200.93,75.39 ; 27.4,60.96 D119.B6 ; D119.B6 29.02,60.96 ; D119.B6 28.21,60.15 ; D119.B6 28.21,61.77 ; D119.A12 43.45,56.69 ; D119.A12 43.45,55.07 ; D119.A12 44.26,55.88 ; D119.A12 42.64,55.88 ; 184.88,76.2 D102.A10 ; D102.A10 185.69,75.39 ; D102.A10 186.5,76.2 ; D102.A10 185.69,77.01 ; 109.49,93.17 D121.A9 ; D121.A9 109.49,94.79 ; D121.A9 108.68,93.98 ; D121.A9 110.3,93.98 ; 197.58,355.6 D114.A3 ; D114.A3 198.39,356.41 ; D114.A3 198.39,354.79 ; D114.A3 199.2,355.6 ; 195.04,76.2 D102.A14 ; D102.A14 196.66,76.2 ; D102.A14 195.85,77.01 ; D102.A14 195.85,75.39 ; D120.B16 54.42,40.64 ; D120.B16 53.61,41.45 ; D120.B16 52.8,40.64 ; D120.B16 53.61,39.83 ; CSDPS229.C5 45.99,331.01 ; CSDPS229.C5 45.99,329.39 ; CSDPS229.C5 46.8,330.2 ; CSDPS229.C5 45.18,330.2 ; 19.18,350.98 UHC230.G4_6 ; UHC230.G4_6 19.18,352.6 ; UHC230.G4_6 18.37,351.79 ; UHC230.G4_6 19.99,351.79 ; D427.A8 112.84,383.54 ; D427.A8 112.03,382.73 ; D427.A8 112.03,384.35 ; D427.A8 111.22,383.54 ; 13.77,355.29 UHC230.G4_3 ; UHC230.G4_3 15.39,355.29 ; UHC230.G4_3 14.58,356.1 ; UHC230.G4_3 14.58,354.48 ; D112.B9 257.62,391.16 ; D112.B9 256.81,391.97 ; D112.B9 256,391.16 ; D112.B9 256.81,390.35 ; 193.31,409.4 DPS2.C05 ; DPS2.C05 192.5,410.21 ; DPS2.C05 194.12,410.21 ; DPS2.C05 193.31,411.02 ; 200.93,39.83 D104.B16 ; D104.B16 200.93,41.45 ; D104.B16 200.12,40.64 ; D104.B16 201.74,40.64 ; D109.B11 251.73,331.01 ; D109.B11 251.73,329.39 ; D109.B11 250.92,330.2 ; D109.B11 252.54,330.2 ; D102.B9 183.15,79.55 ; D102.B9 182.34,78.74 ; D102.B9 183.96,78.74 ; D102.B9 183.15,77.93 ; CSDPS226.C13 99.33,351.33 ; CSDPS226.C13 100.14,350.52 ; CSDPS226.C13 98.52,350.52 ; CSDPS226.C13 99.33,349.71 ; 164.56,81.28 D102.B2 ; D102.B2 165.37,80.47 ; D102.B2 165.37,82.09 ; D102.B2 166.18,81.28 ; 44.38,357.64 UHC430.G2_13 ; UHC430.G2_13 43.57,358.45 ; UHC430.G2_13 44.38,359.26 ; UHC430.G2_13 45.19,358.45 ; 103.6,350.52 CSDPS226.C11 ; CSDPS226.C11 104.41,351.33 ; CSDPS226.C11 105.22,350.52 ; CSDPS226.C11 104.41,349.71 ; 129,391.16 D228.B1 ; D228.B1 130.62,391.16 ; D228.B1 129.81,390.35 ; D228.B1 129.81,391.97 ; D121.B15 124.73,99.87 ; D121.B15 123.92,99.06 ; D121.B15 124.73,98.25 ; D121.B15 125.54,99.06 ; D102.A5 173.8,73.66 ; D102.A5 172.18,73.66 ; D102.A5 172.99,74.47 ; D102.A5 172.99,72.85 ; D109.B12 249.19,328.47 ; D109.B12 249.19,326.85 ; D109.B12 250,327.66 ; D109.B12 248.38,327.66 ; CSDPS226.C5 119.65,351.33 ; CSDPS226.C5 119.65,349.71 ; CSDPS226.C5 118.84,350.52 ; CSDPS226.C5 120.46,350.52 ; 169.64,40.64 D104.B4 ; D104.B4 170.45,39.83 ; D104.B4 170.45,41.45 ; D104.B4 171.26,40.64 ; 258.54,393.7 D112.A8 ; D112.A8 259.35,392.89 ; D112.A8 259.35,394.51 ; D112.A8 260.16,393.7 ; D231.A16 18.86,373.38 ; D231.A16 18.05,374.19 ; D231.A16 18.05,372.57 ; D231.A16 17.24,373.38 ; 30.75,390.35 D232.B11 ; D232.B11 31.56,391.16 ; D232.B11 30.75,391.97 ; D232.B11 29.94,391.16 ; 103.6,93.98 D121.A7 ; D121.A7 105.22,93.98 ; D121.A7 104.41,93.17 ; D121.A7 104.41,94.79 ; D123.A3 95.06,53.34 ; D123.A3 93.44,53.34 ; D123.A3 94.25,52.53 ; D123.A3 94.25,54.15 ; 108.68,99.06 D121.B9 ; D121.B9 110.3,99.06 ; D121.B9 109.49,98.25 ; D121.B9 109.49,99.87 ; D121.A12 117.11,97.33 ; D121.A12 117.11,95.71 ; D121.A12 117.92,96.52 ; D121.A12 116.3,96.52 ; 88.36,406.4 D428.A17 ; D428.A17 89.17,407.21 ; D428.A17 89.17,405.59 ; D428.A17 89.98,406.4 ; D108.B16 274.59,41.45 ; D108.B16 273.78,40.64 ; D108.B16 274.59,39.83 ; D108.B16 275.4,40.64 ; 20.59,329.39 CSDPS229.C15 ; CSDPS229.C15 20.59,331.01 ; CSDPS229.C15 19.78,330.2 ; CSDPS229.C15 21.4,330.2 ; 43.45,60.15 D119.B12 ; D119.B12 43.45,61.77 ; D119.B12 44.26,60.96 ; D119.B12 42.64,60.96 ; 14.58,357.64 UHC430.G1_13 ; UHC430.G1_13 15.39,358.45 ; UHC430.G1_13 13.77,358.45 ; UHC430.G1_13 14.58,359.26 ; D124.A15 124.73,33.83 ; D124.A15 124.73,32.21 ; D124.A15 125.54,33.02 ; D124.A15 123.92,33.02 ; D232.B2 54.42,388.62 ; D232.B2 52.8,388.62 ; D232.B2 53.61,389.43 ; D232.B2 53.61,387.81 ; D103.A11 188.23,54.15 ; D103.A11 188.23,52.53 ; D103.A11 187.42,53.34 ; D103.A11 189.04,53.34 ; 119.65,395.43 D228.A5 ; D228.A5 119.65,397.05 ; D228.A5 118.84,396.24 ; D228.A5 120.46,396.24 ; D432.B13 26.48,401.32 ; D432.B13 24.86,401.32 ; D432.B13 25.67,402.13 ; D432.B13 25.67,400.51 ; D107.A12 264.43,56.69 ; D107.A12 263.62,55.88 ; D107.A12 265.24,55.88 ; D107.A12 264.43,55.07 ; D104.A12 190.77,36.37 ; D104.A12 189.96,35.56 ; D104.A12 191.58,35.56 ; D104.A12 190.77,34.75 ; D109.B9 257.62,330.2 ; D109.B9 256.81,331.01 ; D109.B9 256,330.2 ; D109.B9 256.81,329.39 ; D232.B4 49.34,388.62 ; D232.B4 48.53,387.81 ; D232.B4 48.53,389.43 ; D232.B4 47.72,388.62 ; 124.73,15.7 DPS3.B15 ; DPS3.B15 123.92,16.51 ; DPS3.B15 124.73,17.32 ; DPS3.B15 125.54,16.51 ; D113.A3 198.39,336.09 ; D113.A3 198.39,334.47 ; D113.A3 199.2,335.28 ; D113.A3 197.58,335.28 ; D432.A4 48.53,404.67 ; D432.A4 47.72,403.86 ; D432.A4 48.53,403.05 ; D432.A4 49.34,403.86 ; D431.B10 33.29,379.27 ; D431.B10 32.48,378.46 ; D431.B10 33.29,377.65 ; D431.B10 34.1,378.46 ; D116.B7 188.23,391.97 ; D116.B7 189.04,391.16 ; D116.B7 187.42,391.16 ; D116.B7 188.23,390.35 ; D428.A2 127.27,404.67 ; D428.A2 128.08,403.86 ; D428.A2 126.46,403.86 ; D428.A2 127.27,403.05 ; D432.A13 25.67,407.21 ; D432.A13 26.48,406.4 ; D432.A13 25.67,405.59 ; D432.A13 24.86,406.4 ; D122.A12 117.11,77.01 ; D122.A12 117.11,75.39 ; D122.A12 117.92,76.2 ; D122.A12 116.3,76.2 ; D124.A16 128.08,35.56 ; D124.A16 127.27,36.37 ; D124.A16 126.46,35.56 ; D124.A16 127.27,34.75 ; D113.B14 170.45,328.47 ; D113.B14 171.26,327.66 ; D113.B14 169.64,327.66 ; D113.B14 170.45,326.85 ; 45.18,340.36 CSDPS429.C5 ; CSDPS429.C5 45.99,339.55 ; CSDPS429.C5 46.8,340.36 ; CSDPS429.C5 45.99,341.17 ; 109.49,390.35 D228.B9 ; D228.B9 108.68,391.16 ; D228.B9 110.3,391.16 ; D228.B9 109.49,391.97 ; 183.15,334.47 D113.A9 ; D113.A9 183.96,335.28 ; D113.A9 182.34,335.28 ; D113.A9 183.15,336.09 ; 127.27,367.49 D227.B2 ; D227.B2 126.46,368.3 ; D227.B2 128.08,368.3 ; D227.B2 127.27,369.11 ; D116.A7 189.04,396.24 ; D116.A7 188.23,397.05 ; D116.A7 187.42,396.24 ; D116.A7 188.23,395.43 ; D112.A4 270.32,393.7 ; D112.A4 269.51,394.51 ; D112.A4 269.51,392.89 ; D112.A4 268.7,393.7 ; 164.56,76.2 D102.A2 ; D102.A2 165.37,77.01 ; D102.A2 165.37,75.39 ; D102.A2 166.18,76.2 ; CSDPS426.C9 109.49,361.49 ; CSDPS426.C9 109.49,359.87 ; CSDPS426.C9 110.3,360.68 ; CSDPS426.C9 108.68,360.68 ; D231.A10 33.29,374.19 ; D231.A10 32.48,373.38 ; D231.A10 34.1,373.38 ; D231.A10 33.29,372.57 ; D115.A1 203.47,376.73 ; D115.A1 202.66,375.92 ; D115.A1 203.47,375.11 ; D115.A1 204.28,375.92 ; 121.38,353.06 CSDPS226.B4 ; CSDPS226.B4 122.19,353.87 ; CSDPS226.B4 123,353.06 ; CSDPS226.B4 122.19,352.25 ; 29.94,415.29 DPS8.A11 ; DPS8.A11 31.56,415.29 ; DPS8.A11 30.75,416.1 ; DPS8.A11 30.75,414.48 ; D101.A7 178.07,94.79 ; D101.A7 177.26,93.98 ; D101.A7 178.07,93.17 ; D101.A7 178.88,93.98 ; 167.91,329.39 D113.B15 ; D113.B15 168.72,330.2 ; D113.B15 167.91,331.01 ; D113.B15 167.1,330.2 ; D108.B13 267.78,38.1 ; D108.B13 266.97,38.91 ; D108.B13 266.97,37.29 ; D108.B13 266.16,38.1 ; D103.B5 172.99,59.23 ; D103.B5 172.18,58.42 ; D103.B5 172.99,57.61 ; D103.B5 173.8,58.42 ; 28.21,342.09 CSDPS429.B12 ; CSDPS429.B12 27.4,342.9 ; CSDPS429.B12 29.02,342.9 ; CSDPS429.B12 28.21,343.71 ; 106.14,342.9 CSDPS425.B10 ; CSDPS425.B10 107.76,342.9 ; CSDPS425.B10 106.95,343.71 ; CSDPS425.B10 106.95,342.09 ; 124.73,395.43 D228.A3 ; D228.A3 125.54,396.24 ; D228.A3 124.73,397.05 ; D228.A3 123.92,396.24 ; 98.52,330.2 CSDPS225.C13 ; CSDPS225.C13 99.33,331.01 ; CSDPS225.C13 100.14,330.2 ; CSDPS225.C13 99.33,329.39 ; 175.53,392.89 D116.A12 ; D116.A12 174.72,393.7 ; D116.A12 175.53,394.51 ; D116.A12 176.34,393.7 ; 48.53,377.65 D431.B4 ; D431.B4 49.34,378.46 ; D431.B4 48.53,379.27 ; D431.B4 47.72,378.46 ; 106.14,363.22 CSDPS426.B10 ; CSDPS426.B10 106.95,362.41 ; CSDPS426.B10 107.76,363.22 ; CSDPS426.B10 106.95,364.03 ; 248.38,373.38 D111.A12 ; D111.A12 249.19,372.57 ; D111.A12 249.19,374.19 ; D111.A12 250,373.38 ; 192.5,415.29 DPS2.A05 ; DPS2.A05 194.12,415.29 ; DPS2.A05 193.31,414.48 ; DPS2.A05 193.31,416.1 ; D114.A4 196.66,353.06 ; D114.A4 195.04,353.06 ; D114.A4 195.85,352.25 ; D114.A4 195.85,353.87 ; D115.B2 200.93,369.11 ; D115.B2 201.74,368.3 ; D115.B2 200.12,368.3 ; D115.B2 200.93,367.49 ; D118.A9 36.64,73.66 ; D118.A9 35.83,74.47 ; D118.A9 35.02,73.66 ; D118.A9 35.83,72.85 ; CSDPS226.B10 106.95,353.87 ; CSDPS226.B10 106.95,352.25 ; CSDPS226.B10 107.76,353.06 ; CSDPS226.B10 106.14,353.06 ; 261.08,335.28 D109.A7 ; D109.A7 261.89,336.09 ; D109.A7 262.7,335.28 ; D109.A7 261.89,334.47 ; D115.A8 186.5,373.38 ; D115.A8 184.88,373.38 ; D115.A8 185.69,374.19 ; D115.A8 185.69,372.57 ; D228.B4 122.19,389.43 ; D228.B4 123,388.62 ; D228.B4 121.38,388.62 ; D228.B4 122.19,387.81 ; D122.B3 94.25,79.55 ; D122.B3 94.25,77.93 ; D122.B3 95.06,78.74 ; D122.B3 93.44,78.74 ; CSDPS429.B4 48.53,343.71 ; CSDPS429.B4 47.72,342.9 ; CSDPS429.B4 49.34,342.9 ; CSDPS429.B4 48.53,342.09 ; D120.A16 54.42,35.56 ; D120.A16 52.8,35.56 ; D120.A16 53.61,34.75 ; D120.A16 53.61,36.37 ; D231.B13 25.67,371.65 ; D231.B13 25.67,370.03 ; D231.B13 26.48,370.84 ; D231.B13 24.86,370.84 ; D121.A6 101.87,97.33 ; D121.A6 101.06,96.52 ; D121.A6 101.87,95.71 ; D121.A6 102.68,96.52 ; D106.A14 270.32,76.2 ; D106.A14 268.7,76.2 ; D106.A14 269.51,75.39 ; D106.A14 269.51,77.01 ; 251.73,370.03 D111.B11 ; D111.B11 250.92,370.84 ; D111.B11 251.73,371.65 ; D111.B11 252.54,370.84 ; 27.4,373.38 D231.A12 ; D231.A12 28.21,372.57 ; D231.A12 29.02,373.38 ; D231.A12 28.21,374.19 ; 35.02,401.32 D432.B9 ; D432.B9 35.83,400.51 ; D432.B9 35.83,402.13 ; D432.B9 36.64,401.32 ; D112.B11 252.54,391.16 ; D112.B11 251.73,390.35 ; D112.B11 250.92,391.16 ; D112.B11 251.73,391.97 ; 253.46,332.74 D109.A10 ; D109.A10 254.27,333.55 ; D109.A10 254.27,331.93 ; D109.A10 255.08,332.74 ; D106.B11 262.7,78.74 ; D106.B11 261.89,79.55 ; D106.B11 261.08,78.74 ; D106.B11 261.89,77.93 ; 101.06,332.74 CSDPS225.B12 ; CSDPS225.B12 102.68,332.74 ; CSDPS225.B12 101.87,333.55 ; CSDPS225.B12 101.87,331.93 ; D232.A5 46.8,396.24 ; D232.A5 45.99,397.05 ; D232.A5 45.18,396.24 ; D232.A5 45.99,395.43 ; 273.78,332.74 D109.A2 ; D109.A2 275.4,332.74 ; D109.A2 274.59,331.93 ; D109.A2 274.59,333.55 ; 200.12,96.52 D101.A16 ; D101.A16 200.93,95.71 ; D101.A16 201.74,96.52 ; D101.A16 200.93,97.33 ; D232.B15 20.59,391.97 ; D232.B15 19.78,391.16 ; D232.B15 21.4,391.16 ; D232.B15 20.59,390.35 ; 175.53,39.83 D104.B6 ; D104.B6 176.34,40.64 ; D104.B6 175.53,41.45 ; D104.B6 174.72,40.64 ; 114.57,18.24 DPS3.C11 ; DPS3.C11 115.38,19.05 ; DPS3.C11 113.76,19.05 ; DPS3.C11 114.57,19.86 ; CSDPS225.B6 117.92,332.74 ; CSDPS225.B6 116.3,332.74 ; CSDPS225.B6 117.11,333.55 ; CSDPS225.B6 117.11,331.93 ; 172.18,38.1 D104.B5 ; D104.B5 173.8,38.1 ; D104.B5 172.99,37.29 ; D104.B5 172.99,38.91 ; D109.B2 275.4,327.66 ; D109.B2 274.59,328.47 ; D109.B2 273.78,327.66 ; D109.B2 274.59,326.85 ; D115.A15 168.72,375.92 ; D115.A15 167.91,376.73 ; D115.A15 167.1,375.92 ; D115.A15 167.91,375.11 ; D115.A12 175.53,374.19 ; D115.A12 175.53,372.57 ; D115.A12 174.72,373.38 ; D115.A12 176.34,373.38 ; D107.B8 255.08,60.96 ; D107.B8 253.46,60.96 ; D107.B8 254.27,60.15 ; D107.B8 254.27,61.77 ; 200.93,347.17 D114.B2 ; D114.B2 201.74,347.98 ; D114.B2 200.12,347.98 ; D114.B2 200.93,348.79 ; 20.59,37.29 D120.B3 ; D120.B3 19.78,38.1 ; D120.B3 20.59,38.91 ; D120.B3 21.4,38.1 ; 108.68,381 D427.B9 ; D427.B9 109.49,381.81 ; D427.B9 109.49,380.19 ; D427.B9 110.3,381 ; D111.B5 267.78,370.84 ; D111.B5 266.97,370.03 ; D111.B5 266.97,371.65 ; D111.B5 266.16,370.84 ; 51.07,390.35 D232.B3 ; D232.B3 51.88,391.16 ; D232.B3 50.26,391.16 ; D232.B3 51.07,391.97 ; 96.79,100.79 D121.B4 ; D121.B4 97.6,101.6 ; D121.B4 95.98,101.6 ; D121.B4 96.79,102.41 ; D114.A16 166.18,353.06 ; D114.A16 165.37,353.87 ; D114.A16 165.37,352.25 ; D114.A16 164.56,353.06 ; DPS3.A01 89.17,14.78 ; DPS3.A01 89.98,13.97 ; DPS3.A01 89.17,13.16 ; DPS3.A01 88.36,13.97 ; 200.12,327.66 D113.B2 ; D113.B2 201.74,327.66 ; D113.B2 200.93,328.47 ; D113.B2 200.93,326.85 ; 112.03,60.15 D123.B10 ; D123.B10 112.84,60.96 ; D123.B10 111.22,60.96 ; D123.B10 112.03,61.77 ; 51.07,32.21 D120.A15 ; D120.A15 50.26,33.02 ; D120.A15 51.88,33.02 ; D120.A15 51.07,33.83 ; 121.38,101.6 D121.B14 ; D121.B14 122.19,100.79 ; D121.B14 122.19,102.41 ; D121.B14 123,101.6 ; D116.B2 200.93,389.43 ; D116.B2 200.93,387.81 ; D116.B2 201.74,388.62 ; D116.B2 200.12,388.62 ; 53.61,55.07 D119.A16 ; D119.A16 52.8,55.88 ; D119.A16 53.61,56.69 ; D119.A16 54.42,55.88 ; D103.B16 200.93,61.77 ; D103.B16 200.12,60.96 ; D103.B16 200.93,60.15 ; D103.B16 201.74,60.96 ; D120.A13 46.8,33.02 ; D120.A13 45.18,33.02 ; D120.A13 45.99,33.83 ; D120.A13 45.99,32.21 ; 96.79,39.83 D124.B4 ; D124.B4 95.98,40.64 ; D124.B4 96.79,41.45 ; D124.B4 97.6,40.64 ; 129,340.36 CSDPS425.C1 ; CSDPS425.C1 129.81,341.17 ; CSDPS425.C1 130.62,340.36 ; CSDPS425.C1 129.81,339.55 ; D120.B9 36.64,38.1 ; D120.B9 35.83,38.91 ; D120.B9 35.83,37.29 ; D120.B9 35.02,38.1 ; 263.62,388.62 D112.B6 ; D112.B6 265.24,388.62 ; D112.B6 264.43,387.81 ; D112.B6 264.43,389.43 ; DPS8.A05 46.8,415.29 ; DPS8.A05 